# Altium PCB paste1.PcbDoc (part 2 of 3) (continued)
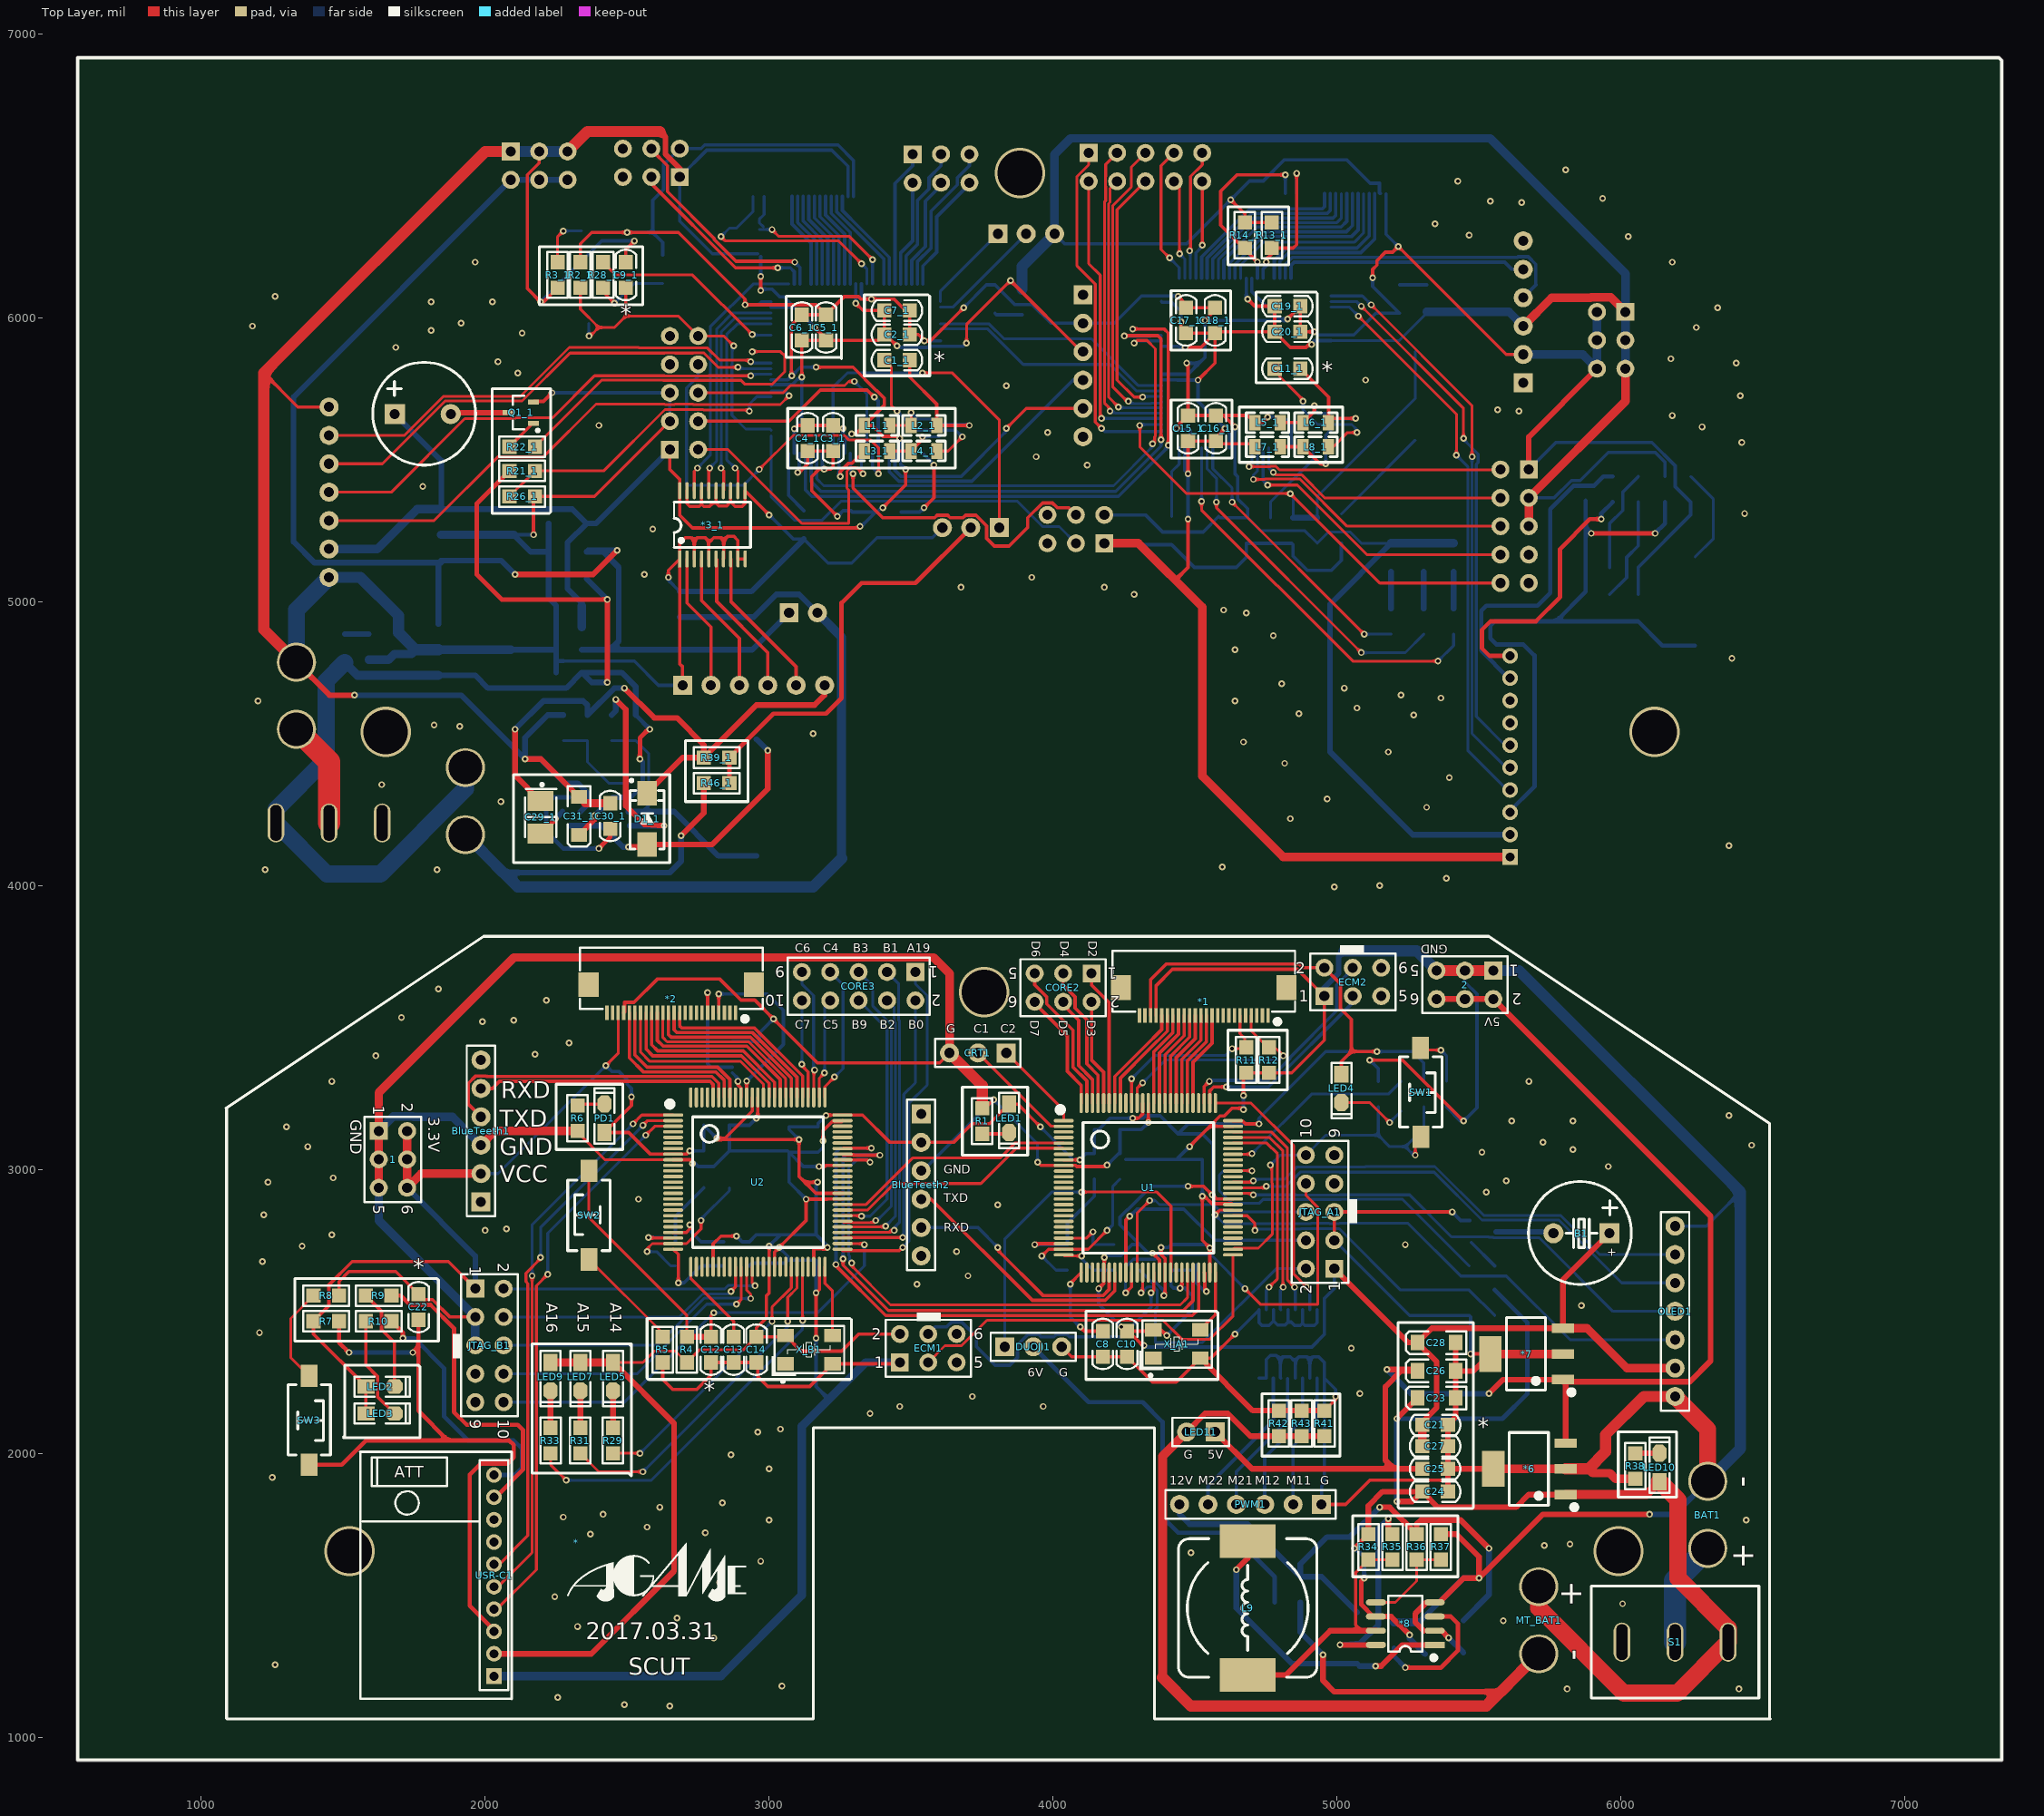
[diagram p0: Top Layer view]
## Nets (pads, with @x,y where several pads share a name; then routed paths per layer and width w, separated by ;. In a path a pad name is that pad's centre, name@x,y a point inside that pad or via, vN(x,y) a via of type N, cw(c..) or ccw(c..) an arc to the next point about the centre after c; other vN are vias at no path point) (continued)
  Top Layer w15.75: 2085,5460 1970,5345 1970,5095 2058.07,5006.93 v1(2430,5006.93) ; v1(2400,4130) 2440,4170 2440,4199.45 ; v1(2545,4445) 2545,4520 2575,4550 v1(2580,4550) ; 2860,4360 2860,4450 3015,4605 3200,4605 3255,4660 3255,4995 3325,5065 3515,5065 3710,5260 ; v1(5060,1665) 5110,1715 ; v1(5095,1560) 5085,1550 5085,1467.25 5127.25,1425 5136.65,1425 ; v1(5240,1245) 5365,1245 5425,1305 5425,1400 5400,1425 5343.35,1425
  Top Layer w19.68: 1883.43,5665 2080.71,5665 ; 2195,4182.91 v1(2247.09,4235) ; 2330,4177.52 2385,4232.52 v1(2385,4245) ; v1(2430,4715) v1(2430,5006.93) ; 2615,6655 2635,6635 2635,6575 2685,6525 2685,6495 ; 4518,2335 4703,2150 4795,2150 4875,2150 4955,2150 ; 4685,1218.78 4818.78,1218.78 4975,1375 5085,1375 5136.65,1375 ; 4990,2650 5250,2390 5283.07,2390 ; 5110,1715 5110,1815 5160,1865 5300,1865 ; 5136.65,1425 5190,1425 v1(5255,1360) ; v1(5210,1830) 5265,1830 5300,1865 ; v1(5210,2121.93) 5283.07,2195 ; 5300,2100 5300,2110 5350,2160 5350,2323.07 5283.07,2390 ; 5367.91,1375 v1(5392.91,1350) ; 5390,2100 5416.93,2126.93 5416.93,2195 5416.93,2290 ; 5416.93,2390 5416.93,2290 ; 5540,2350 5480,2290 5416.93,2290 ; 5675,5465 5675,5580 5915,5820 ; 5805,1854.45 5674.45,1854.45 5630,1810 5355,1810 5300,1865 ; 5958.43,2775 5795,2611.57 5795,2440.55 5333.62,2440.55 5283.07,2390
  Top Layer w20: 1335,4786.22 1451.22,4670 v1(1540,4670) ; 2031,1293.74 2373.74,1293.74 2665,1585 2665,2105 2450,2320 ; v1(2105,4550) 2105,4387.09 2195,4297.09 ; v1(2105,5095) 2380,5095 v1(2465,5180) ; v1(2140,4445) 2196.38,4445 2330,4311.38 2351.93,4289.45 ; 2230,2090 2230,2220 ; 2335,2090 2335,2220 ; 2450,2090 2450,2220 ; v1(2460,4655) 2495,4620 2495,4280 2560,4215 v1(2630,4210) ; v1(2490,4695) 2595,4590 2675,4590 2770,4495 2770,4450 ; v1(2505,4135) 2561.1,4135 ; 2570,4143.9 2798.9,4143.9 2995,4340 v1(2995,4475) ; 2570,4325 2695,4450 2770,4450 ; v1(2690,4175) 2770,4255 2770,4360 ; 2710,2410 2795,2410 ; 3195,4670 3160,4635 2955,4635 2770,4450 ; 4470,2075 4535,2140 4615,2140 4695,2060 4795,2060 4875,2060 4955,2060 ; 4570,2075 4700,1945 5200,1945 ; v1(4645,1590) 4685,1630 ; v1(4950,1290) 4950,1200 4990,1160 5576.22,1160 ; v1(5010,1325) 5131.65,1325 ; v1(5135,1250) 5155,1250 5230,1325 5343.35,1325 ; v1(5150,1810) 5185,1810 5280,1715 5280,1750 5295,1765 5435,1765 v1(5535,1665) ; v1(5175,2295) 5278.07,2295 ; v1(5180,1770) 5180,1730 5195,1715 ; 5283.07,2290 5225,2290 5170,2235 5170,1975 5200,1945 ; 5300,1945 5200,1945 ; 5305,1375 5275,1405 5275,1435 5315,1475 5343.35,1475 5360,1475 5445,1560 v1(5500,1560) ; 5350,3600 5450,3600 5550,3600 6315,2835 6315,2325 6241.81,2251.81 5795,2251.81 5795,2259.45 5584.45,2259.45 v1(5535,2210) ; 5365,1715 5420,1715 5500,1635 v1(5500,1560) ; 5390,1865 5390,1905 5390,1945 ; 5390,2100 5390,2025 5390,1945 ; 5550,1945 5390,1945 ; 5805,2035.55 5805,2249.45 ; 6050,2000 6135,2000 ; v1(6100,1785) 5725,1785 v1(5500,1560)
  Top Layer w30: 1625,2935 1625,3035 1625,3135 1625,3270 2101.22,3746.22 3578.78,3746.22 3635,3690 3635,3410 ; 1725,3135 1725,3035 1725,2935 1775,2985 1985,2985 ; 1985,3085 2035,3135 2325,3135 ; 2230,2320 2335,2320 2450,2320 ; 2351.93,4289.45 2440,4289.45 ; 4180,5205 4300,5205 4525,4980 4525,4385 4810,4100 5604,4100 ; 5300,2025 5300,2100 ; 5540,2350 5795,2350 ; 5550,1945 5805,1945 ; 5655,5970 5755,6070 5892.56,6070 5893.78,6071.22 5963.78,6071.22 6015,6020 ; 5675,5265 5675,5365 6015,5705 6015,5820 ; 5795,2440.55 5879.45,2440.55 6020,2300 6190,2300 ; 5885,1945 5900,1930 5960,1930 5980,1910 6050,1910
  Top Layer w31.5: 4385,1210 4385,1990 4470,2075 ; 5805,1854.45 6089.45,1854.45 6135,1900
  Top Layer w39.37: 1335,4786.22 1220,4901.22 1220,5805 2000,6585 2090,6585 ; 2290,6585 2360,6655 2615,6655 ; 3635,3410 3750,3295 3750,3215 ; 4385,1210 4485,1110 5526.22,1110 5576.22,1160 5710,1293.78 ; 5350,3700 5450,3700 5550,3700 ; 5805,1945 5885,1945 5945,2005 5945,2065 6080,2200 6190,2200
  Top Layer w59.06: 6190,2200 6305,2085 6305,1901.22
  Top Layer w60: 5710,1530 5710,1455 6010,1155 6197.01,1155 6377.01,1335 6377.01,1383.39 6200.2,1560.2 6200.2,1834.8 6135,1900
  Top Layer w78.74: 1335,4550 1450,4435 1450,4220
  Bottom Layer w10: 1985,2985 2045,2985 v1(2425,3365) ; 2065,2180 2490,2180 v1(2805,2495) 3170,2495 3335,2660 v1(3335,2735) ; 2065,2280 2535,2280 2780,2525 v1(2885,2525) ; 2065,2380 2605,2380 2771.54,2546.54 2893.92,2546.54 2895.46,2545 v1(2935,2545) ; 2065,2480 2684.18,2480 2765.44,2561.26 2856.26,2561.26 v1(2865,2570) ; 2065,2580 2065,2578.46 2843.01,2578.46 2856.08,2591.54 2873.92,2591.54 2875.46,2590 v1(2950,2590) ; v1(2165,2625) 2165,2805 v1(2520,3160) ; v1(2195,2690) 2195,2795 v1(2555,3155) ; v1(2220,2630) 2220,2775 v1(2565,3120) ; 2275,4510 2360,4510 2360,4435 2435,4360 2503.35,4360 ; v1(2275,6305) 2338.47,6305 ; v1(2285,1905) 2585,1905 3117.48,2437.48 v1(3117.48,2467.48) ; v1(2365,5935) 2365,5980 ; 2445,4510 2530,4510 2575,4465 2575,4280 2555,4260 ; v1(2455,6050) 2525,6120 2625,6120 ; v1(2545,2000) v1(3010,2465) ; v1(2555,1935) 3065,2445 v1(3065,2465) ; v1(2570,2710) 2603.46,2710 2653.46,2660 2670,2660 ; v1(2747.37,5470) 2792.4,5515.04 2792.4,5967.4 2943.24,6118.24 3068.78,6118.24 ; 2750,5835 2750,5793.29 2708.78,5752.07 2708.78,5408.78 2908.78,5408.78 v1(2965,5465) ; v1(2760,2820) 2760,2825 2860,2925 2860,2935 ; v1(2790,5470) 2815,5495 2815,5960 2871.84,6016.84 3006.76,6016.84 ; v1(2830,5470) 2830.91,5470.91 2830.91,5950 2878.06,5997.16 3006.76,5997.16 ; v1(2830,6285) 2860,6315 2880,6315 2885,6315 2942.68,6372.68 2942.68,6426.69 ; v1(2875,5900) 2870,5900 2870,5836.99 2868.46,5835.46 2868.46,5656.54 2917.49,5607.51 3002.7,5607.51 3006.76,5603.46 ; v1(2880,5470) 2850,5500 2850,5940 2887.47,5977.47 3006.76,5977.47 ; v1(2890,5825) 2895.01,5819.99 3006.76,5819.99 ; v1(2930,5670) 2930,5695 2956.57,5721.57 3006.76,5721.57 ; v1(2935,5795) 2940.31,5800.31 3006.76,5800.31 ; v1(2935,5845) 2940.32,5839.68 3006.76,5839.68 ; v1(2940,5880) 3005.8,5880 ; v1(2940,5940) 2941.9,5938.1 3006.76,5938.1 ; 2965,6310 v1(3010,6310) ; 2979.17,6320 2965,6334.17 2965,6345.83 2982.05,6362.88 2982.05,6426.69 ; 3006.76,5583.77 3006.76,5368.34 3088.44,5286.65 3186.65,5286.65 3253.35,5353.35 3873.36,5353.35 3962.93,5263.78 4021.22,5263.78 4080,5205 ; 3006.76,5741.25 3053.75,5741.25 v1(3070,5725) ; v1(3115,3370) 3115,3595 ; 3115,3695 3115,3653.29 3156.22,3612.07 3156.22,3353.78 v1(3160,3350) ; 3167.2,5521.75 3167.2,5432.8 3192.17,5407.83 4212.83,5407.83 4350,5545 v1(4350,5555) ; v1(3195,3340) 3195,3575 3215,3595 ; 3215,3695 3260,3650 3260,3355 v1(3230,3325) ; 3225,5523.01 3225,5755 3275,5805 v1(3540,5805) ; v1(3290,2670) 3282.72,2677.28 3282.72,2694.41 3280,2697.13 3280,3005 3309.57,3034.57 3345.43,3034.57 v1(3355,3025) ; v1(3300,5775) 3344.37,5730.63 3344.37,5521.75 ; 3315,3595 3415,3495 3415,2895 3355,2835 v1(3325,2835) ; 3315,3695 3365,3645 3365,3575 3430,3510 3430,2870 3380,2820 v1(3375,2820) ; 3324.68,5521.75 3324.68,5455.31 v1(3330,5450) ; v1(3325,6190) 3344.37,6170.63 3344.37,6118.24 ; 3364.06,5521.75 3364.06,5470.94 v1(3385,5450) ; 3364.06,6118.24 v1(3364.06,6204.06) ; v1(3410,2800) 3444.72,2834.72 3444.72,3516.1 3440,3520.82 3440,3570 3415,3595 ; 3415,3695 3455.28,3654.72 3455.28,3613.02 3456.22,3612.07 3456.22,3577.93 3455.28,3576.98 3455.28,3526.37 3459.45,3522.2 3459.45,2814.45 3440,2795 v1(3440,2785) ; v1(3450,5670) 3516.54,5603.46 3603.24,5603.46 3656.54,5603.46 v1(3680,5580) ; v1(3470,2725) 3491.81,2746.81 3491.81,3232.49 3556.22,3296.9 3556.22,3612.07 3515,3653.29 3515,3695 ; v1(3470,2760) 3474.17,2764.17 3474.17,3264.17 3515,3305 3515,3595 ; v1(3500,5665) 3522.17,5642.83 3603.24,5642.83 ; v1(3540,5580) 3599.47,5580 3603.24,5583.77 ; 3603.24,5898.73 3683.73,5898.73 v1(3695,5910) ; 3603.24,5977.47 3774.6,5977.47 3827.08,5925 4135,5925 4298.75,5761.25 4381.76,5761.25 ; 3603.24,6036.53 3646.53,6036.53 3905,6295 ; 3603.24,6056.21 3603.24,6093.24 3805,6295 ; 3605.25,5959.79 3769.79,5959.79 3894.58,5835 4200,5835 4293.43,5741.57 4381.76,5741.57 ; v1(3790,3245) 3945,3090 v1(3945,3025) ; 3830,2375 3830,2755 3995,2920 v1(4100,2920) ; v1(3850,6130) 3880,6100 3890,6100 ; v1(3960,2695) 4010,2645 4050,2645 ; v1(4100,2695) 4100,2685 4140,2645 4215,2645 ; v1(4140,2780) 4140,2735 4215,2735 ; v1(4170,5610) 4181.54,5598.46 4381.76,5598.46 4381.76,5603.77 ; v1(4170,5645) 4379.9,5645 ; v1(4190,2785) 4210,2805 4210,2940 4235,2965 ; v1(4200,5670) 4210,5670 4217.17,5662.83 4381.76,5662.83 ; v1(4230,5685) 4232.49,5682.51 4381.76,5682.51 ; v1(4255,2565) 4255,2656.25 4282.21,2683.46 4358.92,2683.46 4375.46,2700 4555,2700 v1(4675,2580) ; v1(4265,5705) 4272.76,5697.24 4344.85,5697.24 4345.75,5698.14 4377.7,5698.14 4381.76,5702.2 ; v1(4275.94,3319.06) 4357.8,3400.91 4605.91,3400.91 v1(4630,3425) ; v1(4285,5910) 4293.19,5918.19 4381.21,5918.19 ; v1@4308.46,5623.46 4381.76,5623.46 ; v1(4310,2565) 4330,2585 4334.54,2585 4336.08,2586.54 4353.92,2586.54 4366.54,2573.92 4366.54,2514.43 4360,2507.9 4360,2390 4525,2390 4785,2650 4890,2650 ; v1(4315,3305) 4395,3385 4795,3385 v1(4810,3400) ; v1(4315,5720) 4316.88,5721.88 4381.76,5721.88 ; v1(4340,2890) 4360,2890 4374.37,2875.63 4564.83,2875.63 4590.46,2850 4890,2850 ; v1(4410,6210) 4443.78,6176.22 4443.78,6138.24 ; 4417,5300 4417,5457 4443.78,5483.78 4443.78,5541.75 ; v1(4445,6225) 4463.46,6206.54 4463.46,6138.24 ; v1(4480,6235) 4483.15,6231.85 4483.15,6138.24 ; 4502.83,6138.24 4502.83,6227.83 4525,6250 v1(4525,6255) ; v1(4522.52,5352.48) 4522.52,5541.75 ; 4542.2,5541.75 4542.2,5466.97 4575,5434.18 v1(4575,5350) ; 4561.89,5541.75 4561.89,5468.11 4630,5400 v1(4630,5350) ; v1(4570,2840) 4601.22,2808.78 4907.07,2808.78 4908.29,2810 4971.71,2810 4972.93,2808.78 5007.07,2808.78 5008.29,2810 5249.58,2810 5435.48,2624.09 5595.91,2624.09 5820,2400 6190,2400 ; 4581.57,6138.24 4581.57,6203.68 4712.27,6334.37 4999.37,6334.37 5014.53,6349.53 5014.53,6436.69 ; 4660.31,6138.24 4660.31,6185.31 4740,6265 5060,6265 5093.27,6298.27 5093.27,6436.69 ; 4685,5295 4730,5250 4885,5250 4930,5205 4970,5245 5045,5245 5085,5205 5190,5205 ; v1(4690,5475) 4699.69,5484.69 4699.69,5541.75 ; v1(4700,2995) 4600,2995 4585,2980 4585,2925 4630,2880 4725,2880 4739.06,2894.06 5013.17,2894.06 5014.12,2895 5230,2895 5465,2660 ; v1(4700,3055) 4910,3265 5180,3265 5225,3310 ; v1(4705,2910) 4854.15,2910 4855.37,2908.78 5007.07,2908.78 5008.29,2910 5255,2910 5402.64,2762.36 5532.96,2762.36 5535.09,2760.24 5549.71,2760.24 5550.7,2759.25 5711.79,2759.25 5971.04,2500 6190,2500 ; v1(4705,2960) 4710,2965 4815,2965 4858.78,3008.78 5098.74,3008.78 5099.96,3010 5343.86,3010 5516.62,2837.24 5787.36,2837.24 5924.6,2700 6190,2700 ; v1(4705,5430) 4705,5445 4719.37,5459.37 4719.37,5541.75 ; v1(4710,2785) 4715,2790 4871.71,2790 4872.93,2791.22 5007.07,2791.22 5223.29,2575 5465,2575 5555,2485 ; 4739.06,5541.75 4739.06,5425.94 v1(4755,5410) ; v1(4750,2940) 4820.04,2940 4871.26,2991.22 4907.07,2991.22 4908.29,2990 4971.71,2990 4972.93,2991.22 5007.07,2991.22 5008.29,2990 5341.37,2990 5510.03,2821.34 5780.77,2821.34 6002.11,2600 6190,2600 ; 4750.28,2505.16 4750.28,2575.28 v1(4760,2585) ; 4758.74,5541.75 4758.74,5471.26 v1(4775,5455) ; v1(4765,3015) 4800,3050 4890,3050 4960,3120 5145,3120 ; 4765,5295 4765,5350 4916.22,5501.22 4916.22,5541.75 ; 4801.46,2505.16 4800,2506.62 4800,2575 v1(4810,2585) ; v1(4835,5380) 4845,5370 4845,5295 ; v1(4850,2585) 4852.64,2582.36 4852.64,2505.16 ; v1(4880,5705) 4880,5675 4931.54,5623.46 4978.24,5623.46 5051.54,5623.46 5070,5605 v1(5070,5595) ; v1(4892.63,2585) 4903.82,2573.81 4903.82,2505.16 ; 4930,5295 4930,5370 5275,5715 5275,5880 ; 4978.24,5918.73 5218.73,5918.73 5315,6015 5315,6020 ; 4978.24,6036.84 5043.16,6036.84 v1(5075,6005) ; 4978.24,6056.53 5068.47,6056.53 v1(5085,6040) ; 4978.24,6076.21 5088.79,6076.21 v1(5120,6045) ; 5015,5308.47 5274.21,5567.69 ; v1(5085,4820) 5240,4820 5305,4885 ; v1(5095,4885) 5190,4885 ; 5145,3220 5145,3120 ; 5172.01,6436.69 5172.01,6292.99 v1(5215,6250) ; v1(5185,3165) 5225,3205 ; v1(5275,3050) 5270,3050 5240,3080 ; 5305,3220 5305,3145 5240,3080 ; v1(5355,4790) 5410,4845 5410,4885 ; v1(5365,3420) 5385,3400 5385,3310 ; v1(5420,5515) 5460,5475 5460,4475 5598.78,4336.22 5609,4336.22 ; v1(5445,5575) 5445,5570.46 5496.54,5518.92 5496.54,5489.54 5490,5483.01 5490,4595 5591.3,4493.7 5609,4493.7 ; v1(5475,5510) 5475,4535 5595.04,4414.96 5609,4414.96 ; 6245,5440 6325,5360 6325,5221.53 6260.79,5157.31 ; 5145,3120 5185,3080 5240,3080
  Bottom Layer w11.81: 2100,5235 v1(2170,5235) ; v1(2195,6055) 2410,6270 v1(2525,6270) ; v1(2235,5735) 2650,5735 2650,5635 ; 2250,4790 2525,4790 2610,4705 2695,4705 ; v1(2425,3365) 2445,3345 2470,3345 2500,3315 2500,3300 2515,3285 v1(2515,3255) ; v1(2500,6300) 2590,6300 ; v1(2575,2760) 2655,2760 ; 2625,6220 2625,6265 2590,6300 ; v1(2645,5085) 2645,5075 2685,5035 ; 2670,2745 2670,2835 2770,2935 ; v1(2680,2600) 2700,2600 2760,2660 2840,2660 ; v1(2720,2805) 2720,2785 2760,2745 2840,2745 ; v1(2720,3065) 2770,3065 2770,3155 v1(2815,3110) ; v1(2730,3020) 2740,3020 2750,3010 2805,3010 2860,3065 ; v1(2782.95,3622.95) 2782.95,3372.05 2795,3360 2870,3360 ; v1(2822.32,3617.68) 2992.32,3617.68 3050,3560 3050,3440 v1(2920.63,3310.63) ; 2870,3340 2890,3320 v1(2890,3310) ; 2870,3450 2965,3450 2965,3480 v1(3015,3530) ; v1(2885,2765) 2905,2745 2930,2745 2955,2770 3040,2770 ; v1(2915,6045) 2962.31,6045 2972.31,6055 3005.54,6055 ; 2930,2660 2940,2670 3057,2670 3067,2680 ; v1(2955,3180) 2930,3155 2860,3155 2860,3065 ; 2960,6225 2880,6225 2800,6225 2685,6340 2685,6495 2780,6590 3220,6590 3277.32,6532.68 3277.32,6426.69 ; v1(2970,6095) 2975,6100 3010,6100 3037.25,6072.75 3052.25,6072.75 3088.47,6036.53 ; v1(2970,6145) 2970,6215 ; v1(3000,2730) 3040,2770 ; v1(3000,5305) 3085,5220 3122,5220 3207,5135 3290,5135 3380,5225 3465,5225 3575,5225 3610,5260 ; 3006.76,5780.62 3065.62,5780.62 v1(3080,5795) 3110,5825 v1(3165,5825) ; 3006.76,6036.53 3088.47,6036.53 ; 3007.69,5760 3011.78,5764.09 3080.82,5764.09 3106.74,5790 v1(3115,5790) 3115,5635 v1(3088.46,5608.46) 3088.46,5521.75 ; v1(3030,6175) 3075,6175 3088.46,6161.54 3088.46,6118.24 ; v1(3035,2725) 3067,2693 3067,2680 ; 3068.78,5521.75 3068.78,5373.22 3122,5320 ; 3080.47,6426.69 3080.47,6329.14 3147.52,6262.1 3147.52,6118.24 ; v1(3090,6195) 3108.15,6176.85 3108.15,6118.24 ; v1(3100,5455) 3106.18,5461.18 3106.18,5519.78 3108.15,5521.75 ; 3100.16,6426.69 3100.16,6334.51 3167.2,6267.47 3167.2,6118.24 ; v1(3105,3105) 3070,3140 3070,3150 3172,3150 3172,3162 v1(3200,3190) ; 3119.84,6426.69 3119.84,6339.88 3186.89,6272.84 3186.89,6118.24 ; 3127.83,5521.75 3127.83,5392.17 3150,5370 4230,5370 4405,5545 v1(4405,5550) ; v1(3130,2895) 3070,2955 3070,3060 ; 3139.53,6426.69 3139.53,6345.25 3206.57,6278.21 3206.57,6118.24 ; 3147.52,5521.75 3147.52,5422.48 3182.28,5387.72 4220,5387.72 4380,5547.72 v1(4380,5570) ; 3159.21,6426.69 3159.21,6350.62 3226.26,6283.58 3226.26,6118.24 ; v1(3160,5965) 3088.47,6036.53 ; v1(3165,2405) 3165,2235 3210,2190 ; v1(3165,2565) 3165,2680 3067,2680 ; v1(3170,2955) 3165,2950 3165,2770 ; v1(3175,3010) 3120,3010 3070,3060 ; 3178.9,6426.69 3178.9,6355.99 3245.94,6288.95 3245.94,6118.24 ; 3186.89,5521.75 3186.89,5473.11 v1(3193.44,5466.56) ; v1(3190,3100) 3190,3078 3172,3060 3070,3060 ; 3198.58,6426.69 3198.58,6361.36 3265.63,6294.32 3265.63,6118.24 ; v1(3205,2725) 3205,2730 3165,2770 ; 3218.27,6426.69 3218.27,6366.73 3285.32,6299.69 3285.32,6118.24 ; v1(3235,2665) 3235,3060 3250,3075 v1(3360,3075) ; 3237.95,6426.69 3237.95,6372.1 3303.03,6307.02 3303.03,6306.97 3403.43,6206.57 3403.43,6118.24 ; v1(3240,5300) 3260,5320 3288,5320 ; v1(3250,5440) 3245.94,5444.06 3245.94,5521.75 3245.94,5570.94 3260,5585 v1(3260,5610) ; 3257.64,6426.69 3257.64,6377.47 3320.75,6314.36 3320.75,6314.31 3423.11,6211.94 3423.11,6118.24 ; v1(3260,2685) 3260,3040 3271.38,3051.38 v1@3391.38,3051.38 ; 3265.63,5521.75 3265.63,5565.57 3277.72,5577.66 3277.72,5577.72 v1(3290,5590) ; 3285.32,5521.75 3285.32,5459.69 v1(3295,5450) ; 3293,5315 3375,5315 ; 3297.01,6426.69 3297.01,6552.99 3242.28,6607.72 2772.66,6607.72 2759.95,6595 2685,6595 2628.31,6538.31 2628.31,6451.69 2590,6413.39 2590,6300 ; v1(3305,6050) 3305,6118.24 ; v1(3320,5265) 3325,5265 3375,5315 ; 3324.68,6118.24 3324.68,6080.31 3340,6065 v1(3360,6065) ; v1(3370,5720) 3383.74,5706.26 3383.74,5521.75 ; v1(3400,5330) 3400,5335 3380,5315 3375,5315 ; 3423.11,5521.75 3423.11,5456.89 3456.54,5423.46 3713.46,5423.46 4070,5780 4105,5780 ; 3442.8,5521.75 3442.8,5462.2 3465,5440 3675,5440 3835,5600 v1(3835,5610) ; 3442.8,6118.24 3442.8,6472.37 3505,6534.58 3505,6575 ; v1(3450,5900) 3455.2,5894.8 3556.37,5894.8 3560.3,5898.73 3603.24,5898.73 ; v1(3460,5575) 3460,5524.23 3462.48,5521.75 3462.48,5482.52 v1(3480,5465) ; 3462.48,6118.24 3462.48,6227.48 3505,6270 3505,6475 ; 3465,5315 3530,5315 v1(3545,5330) ; 3482.17,6118.24 3482.17,6217.17 3521.54,6256.54 3521.54,6411.54 3562.87,6452.87 3562.87,6492.45 3605,6534.58 3605,6575 ; 3501.85,6118.24 3501.85,6201.85 3550,6250 3550,6410 3605,6465 3605,6475 ; 3521.54,6118.24 3521.54,6196.54 3570,6245 3570,6375 3662.87,6467.87 3662.87,6492.45 3705,6534.58 3705,6575 ; 3535,2795 3735,2795 v1(3805,2725) ; 3535,2995 3540,2995 v1(3790,3245) ; 3541.22,5521.75 3580,5482.97 v1(3580,5480) ; 3541.22,6118.24 3541.22,6181.22 3590,6230 3590,6355 3705,6470 3705,6475 ; v1(3546.58,5918.42) 3603.24,5918.42 ; 3560,2420 3585,2445 3625.42,2445 3642.55,2462.13 3677.45,2462.13 3729.58,2410 3729.58,2375.42 3795,2310 3846.96,2310 3874.09,2337.13 3874.09,2381.45 3911.74,2419.09 3948.26,2419.09 3957.36,2410 4002.64,2410 4011.74,2419.09 4048.26,2419.09 4057.36,2410 4240,2410 4345,2515 v1(4345,2565) ; 3603.24,5623.14 3701.86,5623.14 v1(3705,5620) ; v1(3685,6035) 3765,6115 3795,6115 3864.37,6045.63 3925.63,6045.63 3991.26,5980 4105,5980 4215,5980 4311.21,6076.21 4381.76,6076.21 4438.79,6076.21 v1(4440,6075) ; 3795,6015 3800,6010 3890,6010 ; v1(3935,2735) 4050,2735 4050,2810 4145,2905 4145,2965 ; v1(3955,3150) 4071.58,3033.42 v1(4093.42,3033.42) 4115,3055 4145,3055 4145,3140 4160,3140 4200,3180 v1(4280,3180) 4316.59,3180 4325.22,3188.62 4376.38,3188.62 4440,3125 ; 4005,6295 4040,6260 4470,6260 v1(4625,6415) 4691.06,6481.06 4739.73,6481.06 4813.66,6555 5034.02,6555 5116.1,6472.91 5149.17,6472.91 5149.17,6439.84 5152.32,6436.69 ; v1(4060,2595) 4060,2480 v1(4095,2445) ; v1(4160,2580) 4160,2525 v1(4240,2445) ; v1(4180,2690) 4186.87,2696.87 4239.4,2696.87 4277.53,2735 4305,2735 ; 4180,5305 4325,5305 4385,5245 4528,5245 4583,5300 ; 4185,5200 4417,5200 4497,5120 4645,5120 4680,5155 4680,5205 4765,5205 4840,5205 4845,5200 4845,5160 4895,5110 4980,5110 5015,5145 5015,5205 ; v1(4190,3015) 4230,3055 ; 4235,3055 4235,3140 4310,3140 v1(4335,3165) ; v1(4250,5935) 4343.44,5935 4343.44,5936.45 4379.79,5936.45 ; 4255,3035 4440,3035 ; v1(4270,2835) 4295,2860 4460,2860 4570,2750 4890,2750 ; v1(4280,5960) 4379.86,5960 ; 4305,2645 4347.83,2602.17 4360.39,2602.17 4390,2572.56 v1(4390,2555) ; v1(4320,2380) 4325.63,2374.37 4910.63,2374.37 4955,2418.74 4955,2505.16 4955,2545 4990,2580 4990,2650 ; v1(4350,2705) 4335,2705 4305,2735 ; v1(4380,2725) 4405,2725 4415,2735 4505,2735 4540,2735 v1(4551.54,2723.46) ; 4381.76,5780.94 4435.94,5780.94 ; 4381.76,5800.62 4475.62,5800.62 4515,5840 ; 4381.76,5899.05 4440.95,5899.05 4445,5895 v1(4465,5895) ; 4381.76,6056.53 4384.91,6053.38 4418.13,6053.38 4450,6021.51 v1(4450,5985) ; v1(4400,2415) 4490,2505 4490,2555 4463.44,2581.56 v1(4446.56,2581.56) 4423.44,2581.56 4415,2590 4415,2645 4505,2645 ; v1(4435,5610) 4440,5605 4480,5605 4483.15,5601.85 4483.15,5541.75 ; 4436.88,5780 v1(4510,5780) 4510,5705 v1(4605,5610) 4620.94,5594.06 4620.94,5541.75 ; 4463.46,5541.75 4463.46,5461.54 v1(4475,5450) v1(4475,5290) ; v1(4470,5840) 4515,5840 ; v1(4475,2940) 4345,2940 4262.44,2857.44 4260.7,2857.44 4235,2831.74 4235,2805 4305,2735 ; v1(4480,3080) 4440,3040 4440,3035 ; 4505,2664.37 4505,2645 ; 4522.52,6138.24 4522.52,6213.5 4692.09,6383.07 4948.07,6383.07 4955.47,6390.47 4955.47,6436.69 ; v1(4525,2905) 4525,3035 4440,3035 ; v1@4540,2565 v1(4540,2570) 4533.7,2570 4505,2598.7 4505,2645 ; 4542.2,6138.24 4542.2,6209.8 4698.94,6366.54 4965,6366.54 4975.16,6376.69 4975.16,6436.69 ; 4545,1820 4545,1885 4775,2115 4775,2264.13 ; v1(4550,3310) 4553.62,3313.62 4757.03,3313.62 4833.62,3390.22 4833.62,3393.62 4998.31,3558.31 4998.31,3649.7 5052,3703.39 5052,3710 ; v1(4560,2910) 4561.81,2911.81 4561.81,3088.19 4525,3125 4440,3125 ; 4561.89,6138.24 4561.89,6206.1 4705.79,6350 4985,6350 4994.84,6359.84 4994.84,6436.69 ; 4588,5295 4685,5295 4685,5326.74 4650,5361.74 4650,5440 4640.63,5449.37 4640.63,5541.75 ; 4601.26,6138.24 4601.26,6201.26 4718.74,6318.74 5013.74,6318.74 5034.21,6339.21 5034.21,6436.69 ; v1(4610,3290) 4758.46,3290 5055,3586.54 5055,3610 ; 4620.94,6138.24 4620.94,6191.43 4731.72,6302.2 5032.2,6302.2 5053.9,6323.9 5053.9,6436.69 ; v1(4640,2420) 4724.69,2504.69 ; 4640,5542.38 v1(4640,5615) ; 4640.63,6138.24 4640.63,6187.73 4737.9,6285 5050,6285 5073.58,6308.58 5073.58,6436.69 ; 4645,1820 4645,1935 4825,2115 4825,2262.95 ; v1(4670,3210) v1(4670,3260) ; 4680,6138.24 4680,6070 v1(4685,6065) ; 4699.69,6138.24 4699.69,6090.31 4795,5995 v1(4825,5995) 4820,5990 v1(4535,5990) 4535,5860 4515,5840 ; 4719.37,6138.24 v1(4719.37,6195.63) ; 4724.69,2265 4750.28,2265 4750.28,2330.28 4765,2345 4785,2345 4800,2330 ; 4724.69,2505.16 4724.69,2504.69 ; 4739.06,6138.24 4739.06,6171.46 4750,6182.41 v1(4750,6195) ; 4745,1820 4745,1985 4878.23,2118.23 4878.23,2265 ; v1(4755,5650) 4810,5650 4837.48,5622.52 4837.48,5541.75 ; 4775.87,2505.16 4775.87,2465.87 ; 4778.43,6138.24 4778.43,6201.81 4821.62,6245 5070,6245 5112.95,6287.95 5112.95,6436.69 ; 4798.11,6138.24 4798.11,6198.11 4828.46,6228.46 5083.46,6228.46 5132.64,6277.64 5132.64,6436.69 ; 4801.46,2265 4800,2266.46 4800,2330 ; 4817.68,6436.69 v1(4817.68,6502.68) ; 4817.8,6138.24 4817.8,6187.8 4841.93,6211.93 5634.57,6211.93 5636.74,6214.09 5673.26,6214.09 5699.09,6188.26 5699.09,6115.91 5700,6115 5655,6070 ; 4827.05,2505.16 4827.05,2462.05 ; 4837.48,6138.24 4837.48,6184.1 4848.38,6195 5590,6195 5615,6170 5655,6170 ; 4845,1820 4845,2025 4929.41,2109.41 4929.41,2265 ; 4852.64,2265 4852.64,2327.64 ; 4857.05,6436.69 v1(4857.05,6507.95) ; 4878.23,2505.16 4878.23,2458.23 ; 4903.82,2265 4903.82,2328.82 ; v1(4910,5905) 4910,5910 4918.73,5918.73 4978.24,5918.73 ; v1(4920,5690) 4920,5675 4932.17,5662.83 4978.24,5662.83 ; v1(4920,5950) 4931.58,5938.42 4978.24,5938.42 5058.42,5938.42 5135,6015 5220,6015 5125,6110 v1(5125,6140) ; 4929.41,2505.16 4929.41,2459.41 4920,2450 4886.46,2450 4878.23,2458.23 ; 4945,1820 4945,1885 4955,1895 4955,2265 ; v1(4960,5485) 4960,5585.53 4978.24,5603.77 ; 4978.24,5643.14 5063.14,5643.14 v1(5065,5645) ; 4990,2750 5255,2485 5465,2485 5470,2480 v1(5470,2350) ; v1(4995,2200) 4995,2225 4955,2265 ; v1(5115,3385) 5145,3355 5145,3310 ; 5220,6115 5315,6115 ; 5305,3310 5305,3375 5265,3415 v1(5140,3415) 4960,3415 4725,3180 v1(4725,3160) 4475,3160 4440,3125 ; 5385,3220 5435,3170 v1(5445,3170) 5492.13,3217.13 5492.13,3617.45 5450,3659.58 5450,3700 ; v1(5405,2850) 5435,2820 5467.4,2820 ; 5472.4,2742.6 5555,2660 ; 5675,5365 5764.36,5365 5825.27,5425.91 5855.91,5425.91 5875,5445 5955,5525 6120,5525 6155,5490 6155,5440 ; 5675,5465 5770,5560 6108.38,5560 6190.63,5477.75 6190.63,5404.37 6245,5350 6245,5305 6060,5120 6060,5025 ; 5960,5025 6019.37,5084.37 6019.37,5155.63 6060,5196.26 6060,5350 ; 5960,5120 5960,5274.97 6005.63,5320.6 6005.63,5385.63 6060,5440 ; 6190,2800 6300,2800 6420,2920 ; 2860,3065 3065,3065 3070,3060 ; 3040,2770 3067,2770 3165,2770 ; 4724.69,2504.69 4724.69,2460.31 4735,2450 4760,2450 4775.87,2465.87 ; 4775.87,2465.87 4790,2451.73 4816.73,2451.73 4827.05,2462.05 ; 4800,2330 4810,2340 4835,2340 4847.36,2327.64 4852.64,2327.64 ; 4827.05,2462.05 4837.95,2462.05 4850,2450 4870,2450 4878.23,2458.23 ; 4852.64,2327.64 4865,2340 4892.64,2340 4903.82,2328.82 ; 4903.82,2328.82 4915,2340 4935,2340 4955,2320 4955,2265
  Bottom Layer w15: v1(1520,2355) v1(1745,2355) ; v1(1710,2405) 1750,2405 1855,2300 1855,2130 1940,2045 2100,2045 2130,2015 2130,1950 2103.66,1923.66 2036,1923.66 ; 5604,4257.48 5695,4348.48 5695,4810 5656.61,4848.39 5561.4,4848.39 5540,4869.78 5540,4914.5 5555.5,4930 6060,4930 6145,4845 6260,4845 ; 5604,4729.92 5507.22,4826.7 5507.22,4967.22 5525,4985 5705,4985 5750,5030 5750,5325 5832.78,5407.78 5905.06,5407.78 5937.29,5440 5970,5440 ; 5770.63,4930 5875,5034.37 5875,5260 ; 5875,5355 5875,5260 ; v1(5895,5240) 5875,5260 ; v1(5930,5290) 5930,5310 5970,5350 ; v1(6120,5240) 6155,5275 6155,5350
  Bottom Layer w15.75: 2296.65,4310 2240,4310 2215,4285 2215,4190 2275,4130 v1(2400,4130) ; 2503.35,4310 2512.75,4310 2555,4352.25 2555,4435 v1(2545,4445) ; 2530,4600 v1(2580,4550) ; 3930,2375 4125,2180 4315,2180 4385,2110 4385,1775 4440,1720 4625,1720 4780,1565 4780,1475 ; v1(5060,1665) 5065,1665 5095,1635 v1(5095,1560) ; 5200,1314.45 5200,1285 v1(5240,1245) ; v1(5210,2121.93) 5581.93,2121.93 5670,2210 5670,2460 5555,2575
  Bottom Layer w19.68: 1681.57,5660 1845,5496.57 1845,5325.55 2306.38,5325.55 2356.93,5275 ; 1725,2935 1965,2695 1965,2580 ; 1835,4739.45 1965.55,4739.45 2010,4695 2285,4695 2340,4750 ; 2100,5235 2160,5175 2223.07,5175 ; 2223.07,5275 2223.07,5175 ; v1(2247.09,4235) 2272.09,4260 ; 2250,4985 2223.07,5011.93 2223.07,5080 2223.07,5175 ; 2340,4985 2340,4995 2290,5045 2290,5208.07 2356.93,5275 ; 2356.93,5080 v1(2430,5006.93) ; v1(2385,4245) 2450,4310 2503.35,4310 ; v1(2430,4715) 2375,4715 2340,4750 ; 2503.35,4260 2555,4260 2665,4260 2821.22,4103.78 2955,4103.78 ; 2530,4600 2530,4700 2480,4750 2340,4750 ; 2650,5535 2390,5275 2356.93,5275 ; 2685,5035 2765,5035 2845,5035 2937,5035 3122,5220 ; 4955,3610 4955,3640 5005,3690 5005,3750 5025,3770 ; v1(5210,1830) v1(5210,2121.93) ; v1(5255,1360) 5255,1347.52 5310,1292.52 ; v1(5392.91,1350) 5445,1297.91 ; 5559.29,2780 5756.57,2780
  Bottom Layer w20: 1505,4885 1590,4885 ; v1(1540,4670) 1915,4670 v1(2140,4445) ; 1835,4920.55 1835,5134.45 ; 2063.78,4045 2650,4045 2690,4085 v1(2690,4175) ; 2090,4830 2250,4830 ; v1(2105,4550) 2205,4650 2345,4650 2360,4635 2360,4600 2455,4695 v1(2490,4695) ; v1(2105,5095) 2055.55,5144.45 1845,5144.45 1845,5136.81 1398.19,5136.81 1325,5210 1325,5720 2090,6485 2190,6485 2290,6485 ; 2250,4750 2250,4790 2250,4830 ; 2250,4985 2250,4910 2250,4830 ; 2275,4600 2220,4600 2140,4520 v1(2140,4445) ; 2296.65,4210 2410,4210 2485,4135 v1(2505,4135) ; 2335,4260 2365,4290 2365,4320 2325,4360 2296.65,4360 2280,4360 2195,4445 v1(2140,4445) ; 2340,4830 2440,4830 ; 2356.93,5175 2415,5175 2470,5120 2470,4860 2440,4830 ; 2361.93,5180 v1(2465,5180) ; 2445,4600 2460,4615 v1(2460,4655) ; 2508.35,4210 v1(2630,4210) ; 2685,4945 2765,4945 2845,4945 2945,4945 3025,5025 3105,5025 3170,4960 ; 2955,4515 v1(2995,4475) ; 3070,4960 2940,4830 2440,4830 ; 4445,1785 4480,1750 4685,1750 4870,1565 ; v1(4645,1590) 4645,1455 4841.1,1258.9 5070,1258.9 ; 4845,5295 4930,5295 ; 4870,1475 4870,1370 v1(4950,1290) ; v1(5010,1325) 5080,1330 5145,1395 5145,1735 v1(5180,1770) ; 5070,1440 4945,1565 4870,1565 ; 5078.9,1250 v1(5135,1250) ; v1(5150,1810) 5045,1705 4965,1705 4870,1610 4870,1565 ; v1(5175,2295) 5260,2210 v1(5535,2210) ; 5190,4975 5190,5105 ; 5190,5205 4975,4990 4975,4470 5266.26,4178.74 5609,4178.74 ; 5288.07,1404.45 5310,1426.38 5443.62,1560 v1(5500,1560) ; 5305,4975 5305,5105 ; 5410,4975 5410,5105 ; 5445,1412.09 5535,1502.09 v1(5535,1665) ; v1(6100,1785) 6188.78,1785 6305,1901.22
  Bottom Layer w30: 1450,5185 1620,5185 1760.55,5325.55 1845,5325.55 ; 1590,4795 1660,4795 1680,4815 1740,4815 1755,4830 ; 1625,2935 1625,2820 1965,2480 1965,2380 ; 1625,3135 1676.22,3186.22 1746.22,3186.22 1747.44,3185 1885,3185 1985,3085 ; 1835,4830 2090,4830 ; 1845,5235 2100,5235 ; 2036,1215 2830,1215 3115,1500 3115,2095 3340,2320 3460,2320 ; 2340,4910 2340,4985 ; 4005,6295 4005,6575 4061.22,6631.22 5538.78,6631.22 6015,6155 6015,6020 6015,5920 6015,5820 ; 5190,5205 5305,5205 5410,5205 ; 5200,1404.45 5288.07,1404.45 ; 5315,6020 5605,6020 5655,5970 ; 5655,5870 5865,5870 5915,5820 5915,5920 5915,6020